# KiCad board nyx.kicad_pcb (continued)
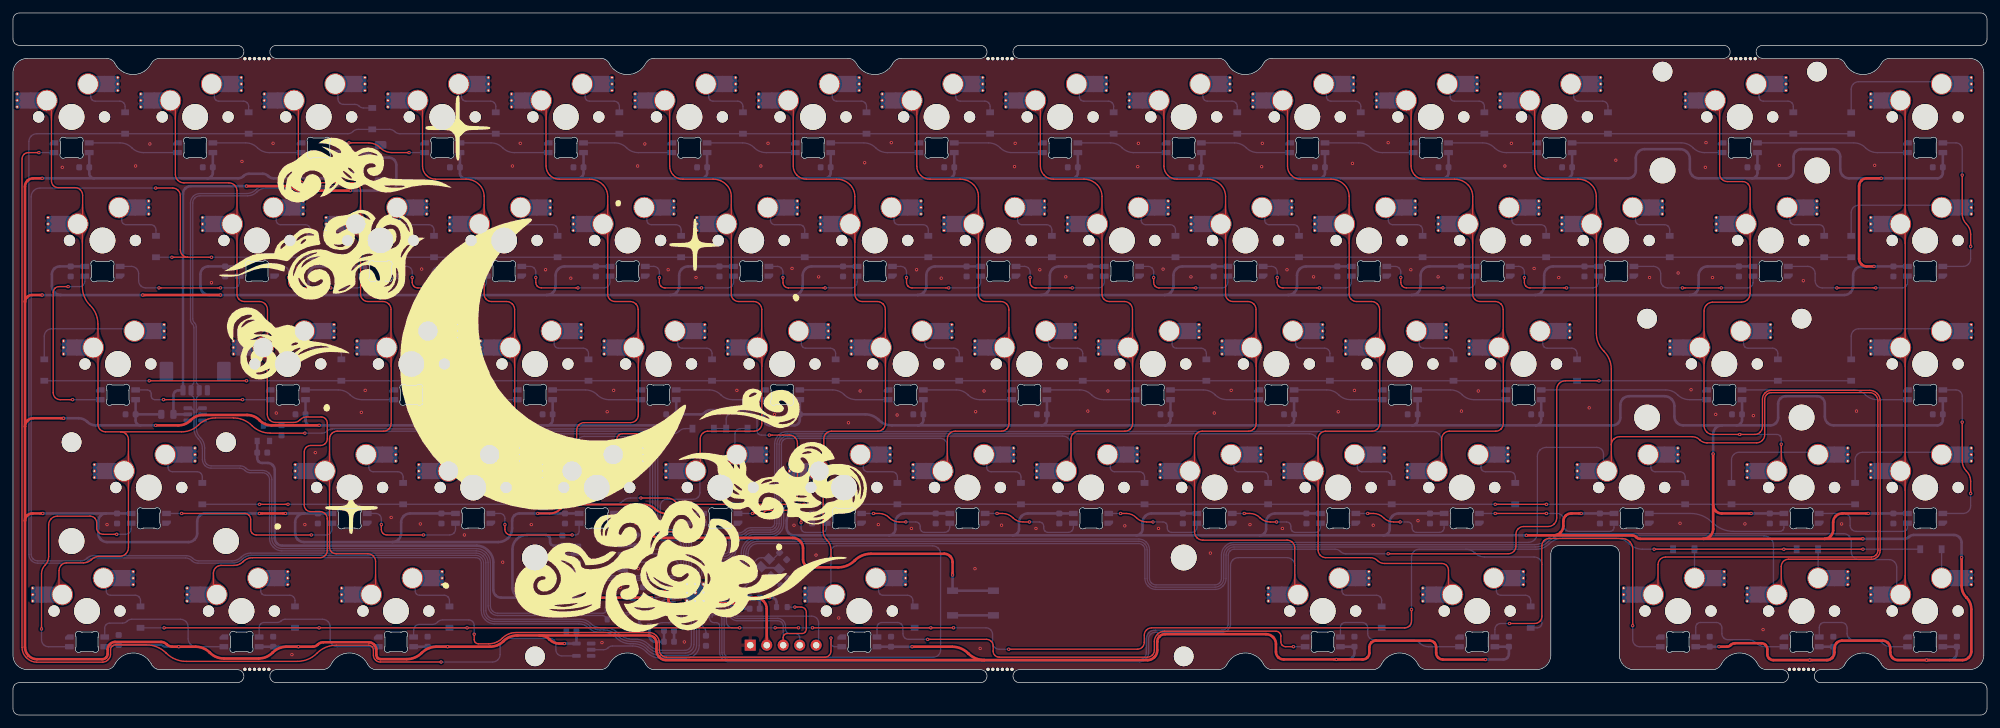
[diagram p0: board, top side]
## Routing (per net, layer and track width the routed paths; a pad name or vN(x,y) marks a point on that pad's centre or on a via; arc(x,y) is an arc through that point) (continued)
  Bottom w0.2: MX56.1 245.2,38.16 245.2,40.26 arc(245.12,40.64) 244.91,40.97 244.89,40.98 arc(244.57,41.2) 244.19,41.27 236.36,41.27 arc(235.84,41.17) 235.4,40.88 235.4,40.87 arc(235.1,40.43) 235,39.91 235,28.04 arc(234.89,27.5) 234.59,27.05 234.58,27.03 arc(234.12,26.73) 233.59,26.62 188.21,26.62 arc(187.52,26.48) 186.93,26.09 186.83,25.99 arc(186.44,25.4) 186.3,24.72 186.3,21.08 arc(186.22,20.69) 186.01,20.37 186,20.36 arc(185.68,20.15) 185.3,20.07 176.22,20.07 arc(175.83,20.15) 175.51,20.36 175.49,20.38 arc(175.28,20.7) 175.2,21.09 175.2,25.52 arc(175.08,26.11) 174.75,26.62 174.67,26.69 arc(174.17,27.03) 173.58,27.14 114.81,27.14 arc(114,26.98) 113.32,26.53 113.24,26.45 arc(112.79,25.77) 112.63,24.96 112.63,23.94 arc(112.54,23.48) 112.28,23.09 112.24,23.05 arc(111.85,22.79) 111.39,22.7 110.64,22.7 arc(110.31,22.64) 110.04,22.45 109.98,22.4 arc(109.8,22.12) 109.73,21.8 109.73,21.52 arc(109.7,21.36) 109.62,21.23 109.59,21.2 arc(109.46,21.12) 109.3,21.08 U3.16
Col13: length 339.2
  Top w0.2: MX66.1 272.6,19.25 272.6,22.92 arc(272.68,23.34) 272.92,23.7 272.93,23.7 arc(273.28,23.94) 273.71,24.02 286.51,24.02 arc(287,24.12) 287.43,24.4 287.47,24.45 arc(287.75,24.87) 287.85,25.37 287.85,48.48 arc(287.73,49.07) 287.4,49.57 287.35,49.62 arc(286.85,49.95) 286.25,50.07 271.04,50.07 arc(270.55,49.97) 270.12,49.69 270.08,49.65 arc(269.8,49.23) 269.7,48.73 269.7,44.45 arc(269.61,44.01) 269.36,43.64 269.34,43.61 arc(268.96,43.36) 268.52,43.27 v1(266.2,43.27) 262.06,43.27 arc(261.54,43.38) 261.1,43.67 261.1,43.68 arc(260.8,44.11) 260.7,44.63 260.7,56 MX43.1 260.7,57.36 260.7,62.31 arc(260.8,62.83) 261.1,63.27 261.1,63.28 arc(261.54,63.57) 262.06,63.67 266.44,63.67 arc(266.96,63.78) 267.4,64.07 267.4,64.08 arc(267.7,64.51) 267.8,65.03 267.8,75.09 MX29.1 267.8,76.37 267.8,81.1 arc(267.71,81.54) 267.46,81.91 267.44,81.94 arc(267.06,82.18) 266.62,82.27 264.28,82.27 arc(263.84,82.36) 263.46,82.61 263.44,82.64 arc(263.19,83.01) 263.1,83.45 263.1,94.08 MX14.1 ; v1(272.6,41.77) 272.6,38.3 MX57.1
  Bottom w0.2: v1(266.2,43.27) 271.93,43.27 arc(272.18,43.22) 272.39,43.08 272.41,43.06 arc(272.55,42.85) 272.6,42.6 v1(272.6,41.77) ; MX66.1 271.4,19.1 271.4,26.19 arc(271.29,26.73) 270.99,27.18 270.96,27.21 arc(270.51,27.52) 269.97,27.62 238.76,27.62 arc(237.65,27.4) 236.71,26.77 236.7,26.77 arc(235.76,26.14) 234.65,25.92 188.25,25.92 arc(187.79,25.83) 187.4,25.57 187.35,25.52 arc(187.09,25.13) 187,24.68 187,21.04 arc(186.88,20.42) 186.53,19.9 186.47,19.84 arc(185.95,19.49) 185.34,19.37 176.17,19.37 arc(175.56,19.49) 175.04,19.84 174.97,19.92 arc(174.62,20.43) 174.5,21.05 174.5,25.48 arc(174.43,25.84) 174.22,26.15 174.21,26.17 arc(173.9,26.37) 173.53,26.44 114.85,26.44 arc(114.27,26.33) 113.79,26.01 113.77,25.98 arc(113.44,25.5) 113.33,24.92 113.33,23.9 arc(113.19,23.21) 112.8,22.63 112.7,22.53 arc(112.12,22.14) 111.43,22 111.11,22 arc(110.9,21.96) 110.73,21.84 110.7,21.81 arc(110.58,21.63) 110.53,21.42 110.53,21.25 arc(110.46,20.88) 110.25,20.57 arc(109.94,20.36) 109.57,20.28 U3.18
Col14: length 284.2
  Top w0.2: MX67.1 291.7,19.3 291.7,36.9 MX58.1 291.7,38.35 291.7,55.95 MX44.1 291.7,57.4 291.7,75 MX30.1 291.7,76.45 291.7,94.05 MX15.1
  Bottom w0.2: MX67.1 290.4,19.15 290.4,22.8 arc(290.31,23.24) 290.06,23.61 290.04,23.64 arc(289.66,23.88) 289.22,23.97 284.58,23.97 arc(284.14,24.06) 283.76,24.31 283.74,24.34 arc(283.49,24.71) 283.4,25.15 283.4,26.8 arc(283.31,27.24) 283.06,27.61 283.04,27.63 arc(282.66,27.88) 282.22,27.97 238.61,27.97 arc(237.5,27.75) 236.56,27.12 236.56,27.12 arc(235.62,26.49) 234.51,26.27 188.23,26.27 arc(187.65,26.16) 187.17,25.83 187.09,25.76 arc(186.76,25.27) 186.65,24.7 186.65,21.06 arc(186.55,20.56) 186.27,20.14 186.24,20.1 arc(185.81,19.82) 185.32,19.72 176.19,19.72 arc(175.7,19.82) 175.28,20.1 175.23,20.15 arc(174.95,20.57) 174.85,21.07 174.85,25.5 arc(174.75,25.98) 174.48,26.38 174.44,26.43 arc(174.03,26.7) 173.55,26.79 114.83,26.79 arc(114.14,26.66) 113.56,26.27 113.51,26.22 arc(113.12,25.63) 112.98,24.94 112.98,23.92 arc(112.86,23.35) 112.54,22.86 112.47,22.79 arc(111.98,22.47) 111.41,22.35 110.66,22.35 arc(110.45,22.31) 110.27,22.19 110.25,22.17 arc(110.13,21.99) 110.08,21.78 110.08,21.37 arc(110.03,21.12) 109.89,20.91 109.86,20.88 arc(109.65,20.73) 109.4,20.68 U3.17
D+: length 9.9
  Bottom w0.2: R4.1 93.26,16.13 93.39,16 arc(93.66,15.81) 93.98,15.75 94.62,15.75 arc(94.73,15.77) 94.83,15.84 94.85,15.86 arc(94.91,15.95) 94.94,16.07 94.94,16.32 arc(94.98,16.53) 95.1,16.71 95.13,16.74 arc(95.31,16.86) 95.52,16.9 98.64,16.9 arc(99.28,17.03) 99.82,17.39 arc(100.37,17.76) 101.01,17.88 U3.47
D-: length 9.9
  Bottom w0.2: R5.1 93.26,15.08 93.29,15.11 arc(93.62,15.32) 94,15.4 94.64,15.4 arc(94.87,15.45) 95.06,15.58 95.11,15.62 arc(95.24,15.82) 95.28,16.05 95.28,16.3 arc(95.3,16.4) 95.36,16.48 95.36,16.48 arc(95.44,16.54) 95.54,16.55 98.74,16.55 arc(99.42,16.69) 100,17.08 arc(100.45,17.38) 100.99,17.48 U3.46
FLASH_nCS: length 11.3
  Bottom w0.2: U3.56 101.16,21.48 arc(100.95,21.53) 100.77,21.65 100.76,21.66 arc(100.64,21.84) 100.6,22.05 100.6,24.56 arc(100.52,24.94) 100.31,25.27 100.29,25.28 arc(99.97,25.5) 99.59,25.57 98.77,25.57 arc(98.43,25.64) 98.14,25.84 98.11,25.86 arc(97.82,26.06) 97.47,26.13 R2.2
  Bottom w0.4: U1.1 R2.2
FLASH_SCK: length 20.8
  Bottom w0.2: U3.52 100.92,19.88 arc(100.15,20.04) 99.5,20.47 99.44,20.54 arc(98.79,20.97) 98.02,21.12 85.78,21.12 arc(85.47,21.18) 85.21,21.36 85.18,21.38 arc(85.01,21.64) 84.95,21.95 84.95,22.97 arc(85,23.2) 85.13,23.4 85.14,23.41 arc(85.33,23.54) 85.56,23.59 U1.6
FLASH_SD0: length 15.5
  Bottom w0.2: U3.53 101.12,20.28 arc(100.35,20.44) 99.7,20.87 99.69,20.89 arc(99.04,21.32) 98.27,21.47 91.37,21.47 arc(90.84,21.58) 90.38,21.88 90.36,21.91 arc(89.9,22.21) 89.37,22.32 U1.5
FLASH_SD1: length 10.7
  Bottom w0.2: 94,24.86 99.22,24.86 arc(99.59,24.79) 99.89,24.58 99.92,24.55 arc(100.13,24.24) 100.2,23.88 100.2,21.9 arc(100.26,21.6) 100.43,21.34 100.45,21.32 arc(100.71,21.15) 101.02,21.08 U3.55
FLASH_SD2: length 9.7
  Bottom w0.2: U3.54 100.96,20.68 arc(100.52,20.77) 100.15,21.02 100.14,21.04 arc(99.89,21.41) 99.8,21.85 99.8,22.56 arc(99.72,22.94) 99.51,23.27 99.48,23.29 arc(99.15,23.51) 98.77,23.59 U1.3
FLASH_SD3: length 23
  Bottom w0.2: U3.51 100.72,19.48 arc(99.95,19.64) 99.3,20.07 99.19,20.19 arc(98.54,20.62) 97.77,20.77 85.76,20.77 arc(85.33,20.86) 84.98,21.09 84.92,21.15 arc(84.68,21.51) 84.6,21.93 84.6,24.2 arc(84.65,24.45) 84.79,24.66 84.79,24.67 arc(85.01,24.81) 85.25,24.86 86.8,24.86
Row0: length 465.3
  Bottom w0.2: U3.36 104.98,10.91 arc(104.89,10.43) 104.62,10.02 104.54,9.94 arc(104.13,9.67) 103.65,9.57 100,9.57 arc(98.9,9.79) 97.95,10.42 97.88,10.5 arc(96.94,11.13) 95.83,11.35 95.32,11.35 arc(94.17,11.57) 93.2,12.23 93.18,12.24 arc(92.21,12.89) 91.06,13.12 90.47,13.12 arc(89.62,13.29) 88.91,13.77 88.89,13.78 arc(88.18,14.26) 87.34,14.43 74.21,14.43 arc(73.6,14.55) 73.08,14.9 73.02,14.96 arc(72.67,15.48) 72.55,16.09 72.55,23.45 arc(72.46,23.89) 72.21,24.26 72.19,24.29 arc(71.81,24.54) 71.37,24.62 36.77,24.62 arc(36.01,24.47) 35.36,24.04 35.33,24.01 arc(34.68,23.58) 33.92,23.42 28.51,23.42 arc(28,23.53) 27.56,23.82 27.55,23.83 arc(27.11,24.12) 26.6,24.22 12.5,24.22 arc(11.99,24.12) 11.55,23.83 11.54,23.82 arc(11.1,23.53) 10.59,23.42 3.79,23.42 arc(3.3,23.52) 2.87,23.8 2.83,23.85 arc(2.55,24.27) 2.45,24.77 2.45,88.43 arc(2.54,88.88) 2.8,89.27 2.83,89.3 arc(3.22,89.56) 3.67,89.65 D1.1 D2.1 51.62,89.65 arc(52.04,89.73) 52.4,89.97 52.43,90 arc(52.78,90.24) 53.21,90.32 D3.1 58.05,90.32 arc(58.47,90.24) 58.83,90 58.86,89.97 arc(59.21,89.73) 59.63,89.65 D4.1 D5.1 D6.1 D7.1 D8.1 D9.1 D10.1 D11.1 D12.1 D13.1 D14.1 D15.1
Row1: length 469.5
  Top w0.2: v1(22,81.27) 24.62,81.27 arc(25.06,81.18) 25.44,80.94 25.46,80.91 arc(25.71,80.54) 25.8,80.1 25.8,71.73 arc(25.88,71.31) 26.12,70.95 26.15,70.92 arc(26.51,70.68) 26.93,70.6 ; 26.93,70.6 v1(24.5,70.6) ; 26.93,70.6 v1(30.6,70.6)
  Bottom w0.2: U3.37 104.58,10.95 arc(104.51,10.59) 104.31,10.28 104.28,10.25 arc(103.97,10.04) 103.61,9.97 100.1,9.97 arc(98.99,10.19) 98.05,10.82 98.02,10.85 arc(97.08,11.48) 95.97,11.7 95.47,11.7 arc(94.32,11.92) 93.34,12.57 93.33,12.59 arc(92.35,13.24) 91.2,13.47 90.61,13.47 arc(89.77,13.64) 89.06,14.12 89.04,14.13 arc(88.33,14.61) 87.48,14.78 74.23,14.78 arc(73.74,14.88) 73.31,15.16 73.28,15.19 arc(73,15.61) 72.9,16.11 72.9,23.47 arc(72.79,24.03) 72.48,24.5 72.42,24.55 arc(71.95,24.86) 71.4,24.97 36.63,24.97 arc(35.86,24.82) 35.21,24.39 35.19,24.36 arc(34.54,23.92) 33.77,23.77 28.66,23.77 arc(28.14,23.88) 27.7,24.17 27.7,24.18 arc(27.26,24.47) 26.74,24.57 12.36,24.57 arc(11.84,24.47) 11.4,24.18 11.4,24.17 arc(10.96,23.88) 10.44,23.77 3.81,23.77 arc(3.43,23.85) 3.11,24.07 3.09,24.08 arc(2.88,24.4) 2.8,24.79 2.8,79.91 arc(2.9,80.43) 3.2,80.87 3.2,80.88 arc(3.64,81.17) 4.16,81.27 v1(22,81.27) ; v1(30.6,70.6) D17.1 D18.1 D19.1 D20.1 D21.1 D22.1 D23.1 D24.1 D25.1 D26.1 D27.1 D28.1 D29.1 D30.1 ; D16.1 v1(24.5,70.6)
Row2: length 461.3
  Top w0.2: v1(212,24.87) 230.52,24.87 arc(230.96,24.96) 231.34,25.21 231.36,25.24 arc(231.61,25.61) 231.7,26.05 231.7,27.9 arc(231.79,28.34) 232.04,28.71 232.06,28.74 arc(232.44,28.98) 232.88,29.07 236.66,29.07 arc(237.16,29.17) 237.58,29.45 237.6,29.47 arc(237.88,29.9) 237.98,30.39 237.98,50.19 arc(238.08,50.71) 238.38,51.15 238.38,51.15 arc(238.82,51.45) 239.34,51.55 v1(244.5,51.55) ; v1(21,51.55) v1(36,51.55)
  Bottom w0.2: U3.29 108.7,15.45 arc(108.92,15.4) 109.11,15.28 arc(109.24,15.08) 109.29,14.84 109.29,9.66 arc(109.37,9.26) 109.59,8.92 109.65,8.87 arc(109.99,8.64) 110.39,8.56 173.65,8.56 arc(174.05,8.64) 174.39,8.87 174.41,8.88 arc(174.64,9.22) 174.72,9.62 174.72,11.74 arc(174.81,12.24) 175.1,12.66 175.15,12.72 arc(175.57,13) 176.07,13.1 186.38,13.1 arc(186.74,13.17) 187.05,13.38 187.07,13.4 arc(187.28,13.71) 187.35,14.07 187.35,24.65 arc(187.42,25) 187.61,25.29 187.63,25.31 arc(187.92,25.5) 188.27,25.57 203.82,25.57 arc(204.26,25.48) 204.64,25.24 204.66,25.21 arc(205.04,24.96) 205.48,24.87 v1(212,24.87) ; v1(36,51.55) D32.1 D33.1 D34.1 D35.1 D36.1 D37.1 D38.1 D39.1 D40.1 D41.1 D42.1 v1(244.5,51.55) D43.1 D44.1 ; v1(21,51.55) D31.1
Row3: length 308.2
  Top w0.2: 119.41,32.5 103.21,32.5 arc(102.58,32.63) 102.04,32.98 102.04,32.99 arc(101.5,33.35) 100.87,33.47 v1(96.8,33.47) ; 119.41,32.5 v1(122,32.5) ; 119.41,32.5 arc(119.98,32.61) 120.47,32.94 120.5,32.97 arc(120.82,33.46) 120.94,34.03 120.94,41.92 arc(120.84,42.4) 120.57,42.8 120.57,42.81 arc(120.16,43.08) 119.68,43.17 v1(116.6,43.17) ; v1(38,32.5) v1(42.4,32.5) ; v1(236.4,32.5) v1(228.5,32.5)
  Bottom w0.2: D58.1 D57.1 D56.1 v1(236.4,32.5) ; D45.1 v1(38,32.5) ; D48.1 D49.1 109.95,45.65 arc(110.02,45.99) 110.21,46.29 110.24,46.31 arc(110.53,46.5) 110.87,46.57 113.85,46.57 arc(114.17,46.51) 114.45,46.32 114.45,46.32 arc(114.64,46.05) 114.7,45.72 114.7,43.84 arc(114.75,43.59) 114.89,43.38 114.91,43.36 arc(115.12,43.22) 115.37,43.17 v1(116.6,43.17) ; v1(96.8,33.47) 95.18,33.47 arc(94.55,33.35) 94.02,32.99 94.01,32.98 arc(93.48,32.63) 92.84,32.5 D47.1 D46.1 v1(42.4,32.5) ; U3.15 108.62,22.17 arc(108.69,22.51) 108.88,22.79 arc(109.16,22.98) 109.5,23.05 111.37,23.05 arc(111.71,23.12) 112,23.31 112.02,23.32 arc(112.21,23.62) 112.28,23.96 112.28,24.98 arc(112.46,25.9) 112.98,26.68 113.09,26.79 arc(113.87,27.31) 114.79,27.49 116.81,27.49 arc(117.52,27.63) 118.12,28.04 118.27,28.19 arc(118.67,28.79) 118.81,29.49 118.81,31.47 arc(118.89,31.85) 119.11,32.18 119.13,32.21 arc(119.46,32.42) 119.84,32.5 v1(122,32.5) D50.1 D51.1 D52.1 D53.1 D54.1 v1(228.5,32.5) D55.1
Row4: length 342
  Top w0.2: v1(253,25.57) v1(273,25.57) v1(285.2,25.57) ; v1(23.3,13.45) v1(47.2,13.45) v1(70,13.45) v1(112.03,13.45) ; v1(215.6,16.27) 215.6,14.51 arc(215.52,14.11) 215.29,13.76 215.29,13.76 arc(214.94,13.53) 214.54,13.45 175.55,13.45 arc(175.11,13.36) 174.74,13.11 174.74,13.11 arc(174.49,12.74) 174.4,12.3 174.4,11.21 arc(174.32,10.81) 174.09,10.46 174.09,10.46 arc(173.74,10.23) 173.34,10.15 v1(153.5,10.15) ; v1(123.25,13.45) v1(141.5,13.45) v1(145,13.45) ; v1(121.1,13.45) v1(117.5,13.45)
  Bottom w0.2: 223.97,25.57 216.78,25.57 arc(216.34,25.48) 215.96,25.24 215.94,25.21 arc(215.69,24.84) 215.6,24.4 v1(215.6,16.27) 215.6,14.32 arc(215.54,14) 215.35,13.72 215.33,13.7 arc(215.05,13.51) 214.73,13.45 D63.1 ; 223.97,25.57 234.8,25.57 arc(235.91,25.79) 236.85,26.42 arc(237.79,27.05) 238.9,27.27 247.1,27.27 arc(248.21,27.05) 249.15,26.42 arc(250.09,25.79) 251.2,25.57 v1(253,25.57) D65.1 ; 223.97,25.57 arc(224.74,25.42) 225.39,24.99 225.41,24.96 arc(226.06,24.52) 226.83,24.37 234.52,24.37 arc(234.96,24.28) 235.34,24.04 235.36,24.01 arc(235.61,23.64) 235.7,23.2 235.7,14.16 arc(235.65,13.89) 235.49,13.67 235.48,13.66 arc(235.26,13.5) 234.99,13.45 D64.1 ; v1(153.5,10.15) 152.03,10.15 arc(151.65,10.23) 151.32,10.44 151.31,10.46 arc(151.09,10.78) 151.01,11.16 151.01,12.44 arc(150.94,12.82) 150.72,13.14 150.71,13.16 arc(150.38,13.37) 150,13.45 v1(145,13.45) ; v1(121.1,13.45) v1(123.25,13.45) ; D66.1 v1(273,25.57) ; D60.1 v1(47.2,13.45) ; U3.27 109.5,16.68 arc(109.68,16.65) 109.84,16.54 arc(109.95,16.38) 109.99,16.19 109.99,14.39 arc(110.06,14.03) 110.26,13.72 arc(110.56,13.52) 110.92,13.45 v1(112.03,13.45) v1(117.5,13.45) ; D62.1 v1(141.5,13.45) ; D67.1 v1(285.2,25.57) ; D59.1 v1(23.3,13.45) ; D61.1 v1(70,13.45)
SWCLK: length 21.9
  Bottom w0.2: U3.24 109.96,17.88 arc(110.37,17.81) 110.71,17.58 110.73,17.56 arc(110.95,17.22) 111.03,16.82 111.03,15.92 arc(111.08,15.67) 111.23,15.46 111.24,15.44 arc(111.46,15.3) 111.7,15.25 123.14,15.25 arc(123.54,15.17) 123.89,14.94 123.89,14.94 arc(124.12,14.59) 124.2,14.19 124.2,10.85 123.82,10.47
SWDIO: length 17.5
  Bottom w0.2: U3.25 109.91,17.48 arc(110.23,17.42) 110.5,17.24 arc(110.64,17.03) 110.69,16.79 110.69,15.9 arc(110.76,15.54) 110.96,15.23 111.01,15.18 arc(111.32,14.97) 111.68,14.9 117.9,14.9 arc(118.34,14.81) 118.72,14.56 118.75,14.53 arc(119,14.15) 119.09,13.71 119.09,13.25 arc(119.14,12.98) 119.29,12.76 119.29,12.76 arc(119.52,12.61) 119.79,12.55 120.67,12.55 arc(120.9,12.51) 121.1,12.38 121.1,12.37 arc(121.23,12.17) 121.28,11.94 J2.4
XTAL1: length 12.3
  Bottom w0.2: C1.1 117.22,24.08 Y1.3 116.38,24.26 115.36,24.26 arc(114.98,24.18) 114.65,23.97 114.03,23.34 arc(113.81,23.02) 113.73,22.64 arc(113.65,22.19) 113.39,21.81 111.61,20.02 arc(111.01,19.62) 110.31,19.48 U3.20
XTAL2: length 6.5
  Bottom w0.2: R1.1 112.78,19.71 arc(112.08,19.25) 111.26,19.08 U3.21
~{NRST}: length 26.6
  Top w0.2: 118.74,10.87 118.74,11.96 arc(118.79,12.19) 118.92,12.39 118.92,12.4 arc(119.12,12.53) 119.35,12.57 121.63,12.57 arc(121.88,12.62) 122.09,12.76 122.11,12.78 arc(122.25,12.99) 122.3,13.24 122.3,15.84 arc(122.24,16.15) 122.07,16.41 122.06,16.42 arc(121.8,16.59) 121.49,16.65 v1(120.53,16.65)
  Bottom w0.2: U3.26 109.68,17.08 arc(109.93,17.03) 110.15,16.89 arc(110.29,16.68) 110.34,16.44 110.34,15.85 arc(110.43,15.38) 110.7,14.97 110.76,14.92 arc(111.16,14.65) 111.64,14.55 117.88,14.55 arc(118.21,14.49) 118.48,14.3 118.49,14.29 arc(118.68,14.02) 118.74,13.69 J2.3 ; R3.2 v1(120.53,16.65)
Net-(C13-Pad1): length 3.9
  Bottom w0.2: R1.2 115.71,20.12 Y1.1 118.28,19.96 C13.1
Net-(D1-A): length 9.2
  Bottom w0.2: D1.2 17.28,93.86 arc(17.22,94.16) 17.05,94.42 17.03,94.44 arc(16.77,94.61) 16.47,94.67 12.67,94.67 arc(12.42,94.72) 12.21,94.86 12.19,94.88 arc(12.05,95.09) 12,95.34 12,96.89 MX1.2
Net-(D2-A): length 9.2
  Bottom w0.2: MX2.2 31.05,96.89 31.05,95.34 arc(31.1,95.09) 31.24,94.88 31.26,94.86 arc(31.47,94.72) 31.72,94.67 35.52,94.67 arc(35.82,94.61) 36.08,94.44 36.1,94.42 arc(36.27,94.16) 36.33,93.86 D2.2
Net-(D3-A): length 8.4
  Bottom w0.2: D3.2 54.02,93.62 arc(53.68,93.69) 53.39,93.89 53.36,93.91 arc(53.07,94.1) 52.73,94.17 50.95,94.17 arc(50.63,94.24) 50.35,94.42 50.35,94.42 arc(50.16,94.7) 50.1,95.02 50.1,96.89 MX3.2
Net-(D4-A): length 9.2
  Bottom w0.2: MX4.2 69.15,96.89 69.15,95.34 arc(69.2,95.09) 69.34,94.88 69.36,94.86 arc(69.57,94.72) 69.82,94.67 73.62,94.67 arc(73.92,94.61) 74.18,94.44 74.2,94.42 arc(74.37,94.16) 74.43,93.86 D4.2
Net-(D5-A): length 9.2
  Bottom w0.2: D5.2 93.48,93.86 arc(93.42,94.16) 93.25,94.42 93.23,94.44 arc(92.97,94.61) 92.67,94.67 88.87,94.67 arc(88.62,94.72) 88.41,94.86 88.39,94.88 arc(88.25,95.09) 88.2,95.34 88.2,96.89 MX5.2
Net-(D6-A): length 9.2
  Bottom w0.2: D6.2 112.53,93.86 arc(112.47,94.16) 112.3,94.42 112.28,94.44 arc(112.02,94.61) 111.72,94.67 107.92,94.67 arc(107.67,94.72) 107.46,94.86 107.44,94.88 arc(107.3,95.09) 107.25,95.34 107.25,96.89 MX6.2
Net-(D7-A): length 9.2
  Bottom w0.2: D7.2 131.58,93.86 arc(131.52,94.16) 131.35,94.42 131.33,94.44 arc(131.07,94.61) 130.77,94.67 126.97,94.67 arc(126.72,94.72) 126.51,94.86 126.49,94.88 arc(126.35,95.09) 126.3,95.34 126.3,96.89 MX7.2
Net-(D8-A): length 9.2
  Bottom w0.2: MX8.2 145.35,96.89 145.35,95.34 arc(145.4,95.09) 145.54,94.88 145.56,94.86 arc(145.77,94.72) 146.02,94.67 149.82,94.67 arc(150.12,94.61) 150.38,94.44 150.4,94.42 arc(150.57,94.16) 150.63,93.86 D8.2
Net-(D9-A): length 9.2
  Bottom w0.2: D9.2 169.68,93.86 arc(169.62,94.16) 169.45,94.42 169.43,94.44 arc(169.17,94.61) 168.87,94.67 165.07,94.67 arc(164.82,94.72) 164.61,94.86 164.59,94.88 arc(164.45,95.09) 164.4,95.34 164.4,96.89 MX9.2
Net-(D10-A): length 9.2
  Bottom w0.2: MX10.2 183.45,96.89 183.45,95.34 arc(183.5,95.09) 183.64,94.88 183.66,94.86 arc(183.87,94.72) 184.12,94.67 187.92,94.67 arc(188.22,94.61) 188.48,94.44 188.5,94.42 arc(188.67,94.16) 188.73,93.86 D10.2
Net-(D11-A): length 9.2
  Bottom w0.2: D11.2 207.78,93.86 arc(207.72,94.16) 207.55,94.42 207.53,94.44 arc(207.27,94.61) 206.97,94.67 203.17,94.67 arc(202.92,94.72) 202.71,94.86 202.69,94.88 arc(202.55,95.09) 202.5,95.34 202.5,96.89 MX11.2
Net-(D12-A): length 9.2
  Bottom w0.2: MX12.2 221.55,96.89 221.55,95.34 arc(221.6,95.09) 221.74,94.88 221.76,94.86 arc(221.97,94.72) 222.22,94.67 226.02,94.67 arc(226.32,94.61) 226.58,94.44 226.6,94.42 arc(226.77,94.16) 226.83,93.86 D12.2
Net-(D13-A): length 9.2
  Bottom w0.2: MX13.2 240.6,96.89 240.6,95.34 arc(240.65,95.09) 240.79,94.88 240.81,94.86 arc(241.02,94.72) 241.27,94.67 245.07,94.67 arc(245.37,94.61) 245.63,94.44 245.65,94.42 arc(245.82,94.16) 245.88,93.86 D13.2
Net-(D14-A): length 9.2
  Bottom w0.2: MX14.2 269.18,96.89 269.18,95.34 arc(269.22,95.09) 269.37,94.88 269.38,94.86 arc(269.6,94.72) 269.84,94.67 273.64,94.67 arc(273.95,94.61) 274.21,94.44 274.22,94.42 arc(274.4,94.16) 274.46,93.86 D14.2
Net-(D15-A): length 18.3
  Bottom w0.2: MX15.2 296.97,97.67 284.54,97.67 arc(284.1,97.58) 283.73,97.34 283.72,97.33 arc(283.47,96.95) 283.38,96.51 D15.2
Net-(D16-A): length 9.2
  Bottom w0.2: MX16.2 16.76,77.84 16.76,76.29 arc(16.81,76.04) 16.95,75.83 16.97,75.81 arc(17.18,75.67) 17.43,75.62 21.23,75.62 arc(21.54,75.56) 21.8,75.39 21.81,75.37 arc(21.98,75.11) 22.04,74.81 D16.2
Net-(D17-A): length 10
  Bottom w0.2: 40.73,77.68 MX17.2 40.58,77.84 40.58,76.29 arc(40.62,76.04) 40.77,75.83 40.78,75.81 arc(41,75.67) 41.24,75.62 45.04,75.62 arc(45.35,75.56) 45.61,75.39 45.62,75.37 arc(45.8,75.11) 45.86,74.81 D17.2
Net-(D18-A): length 9.2
  Bottom w0.2: D18.2 64.91,74.81 arc(64.85,75.11) 64.67,75.37 64.66,75.39 arc(64.4,75.56) 64.09,75.62 60.29,75.62 arc(60.05,75.67) 59.83,75.81 59.82,75.83 arc(59.67,76.04) 59.63,76.29 59.63,77.84 MX18.2
Net-(D19-A): length 9.2
  Bottom w0.2: MX19.2 78.68,77.84 78.68,76.29 arc(78.72,76.04) 78.87,75.83 78.88,75.81 arc(79.1,75.67) 79.34,75.62 83.14,75.62 arc(83.45,75.56) 83.71,75.39 83.72,75.37 arc(83.9,75.11) 83.96,74.81 D19.2
Net-(D20-A): length 9.2
  Bottom w0.2: MX20.2 97.73,77.84 97.73,76.29 arc(97.77,76.04) 97.92,75.83 97.93,75.81 arc(98.15,75.67) 98.39,75.62 102.19,75.62 arc(102.5,75.56) 102.76,75.39 102.77,75.37 arc(102.95,75.11) 103.01,74.81 D20.2
Net-(D21-A): length 9.2
  Bottom w0.2: D21.2 122.06,74.81 arc(122,75.11) 121.82,75.37 121.81,75.39 arc(121.55,75.56) 121.24,75.62 117.44,75.62 arc(117.2,75.67) 116.98,75.81 116.97,75.83 arc(116.82,76.04) 116.78,76.29 116.78,77.84 MX21.2
Net-(D22-A): length 9.2
  Bottom w0.2: MX22.2 135.83,77.84 135.83,76.29 arc(135.87,76.04) 136.02,75.83 136.03,75.81 arc(136.25,75.67) 136.49,75.62 140.29,75.62 arc(140.6,75.56) 140.86,75.39 140.87,75.37 arc(141.05,75.11) 141.11,74.81 D22.2
Net-(D23-A): length 9.2
  Bottom w0.2: MX23.2 154.88,77.84 154.88,76.29 arc(154.92,76.04) 155.07,75.83 155.08,75.81 arc(155.3,75.67) 155.54,75.62 159.34,75.62 arc(159.65,75.56) 159.91,75.39 159.92,75.37 arc(160.1,75.11) 160.16,74.81 D23.2
Net-(D24-A): length 9.2
  Bottom w0.2: MX24.2 173.93,77.84 173.93,76.29 arc(173.97,76.04) 174.12,75.83 174.13,75.81 arc(174.35,75.67) 174.59,75.62 178.39,75.62 arc(178.7,75.56) 178.96,75.39 178.97,75.37 arc(179.15,75.11) 179.21,74.81 D24.2
Net-(D25-A): length 9.2
  Bottom w0.2: MX25.2 192.98,77.84 192.98,76.29 arc(193.02,76.04) 193.17,75.83 193.18,75.81 arc(193.4,75.67) 193.64,75.62 197.44,75.62 arc(197.75,75.56) 198.01,75.39 198.02,75.37 arc(198.2,75.11) 198.26,74.81 D25.2
Net-(D26-A): length 9.2
  Bottom w0.2: MX26.2 212.03,77.84 212.03,76.29 arc(212.07,76.04) 212.22,75.83 212.23,75.81 arc(212.45,75.67) 212.69,75.62 216.49,75.62 arc(216.8,75.56) 217.06,75.39 217.07,75.37 arc(217.25,75.11) 217.31,74.81 D26.2
Net-(D27-A): length 9.2
  Bottom w0.2: MX27.2 231.08,77.84 231.08,76.29 arc(231.12,76.04) 231.27,75.83 231.28,75.81 arc(231.5,75.67) 231.74,75.62 235.54,75.62 arc(235.85,75.56) 236.11,75.39 236.12,75.37 arc(236.3,75.11) 236.36,74.81 D27.2
Net-(D28-A): length 9.2
  Bottom w0.2: MX28.2 250.13,77.84 250.13,76.29 arc(250.17,76.04) 250.32,75.83 250.33,75.81 arc(250.55,75.67) 250.79,75.62 254.59,75.62 arc(254.9,75.56) 255.16,75.39 255.17,75.37 arc(255.35,75.11) 255.41,74.81 D28.2
Net-(D29-A): length 9.2
  Bottom w0.2: MX29.2 273.94,77.84 273.94,76.29 arc(273.99,76.04) 274.13,75.83 274.15,75.81 arc(274.36,75.67) 274.61,75.62 278.41,75.62 arc(278.71,75.56) 278.97,75.39 278.99,75.37 arc(279.16,75.11) 279.22,74.81 D29.2
Net-(D30-A): length 18.3
  Bottom w0.2: D30.2 283.38,77.46 arc(283.47,77.9) 283.72,78.28 283.73,78.29 arc(284.1,78.53) 284.54,78.62 296.97,78.62 MX30.2
Net-(D31-A): length 18.3
  Bottom w0.2: MX31.2 18.36,59.57 5.98,59.57 arc(5.54,59.48) 5.17,59.24 5.16,59.23 arc(4.91,58.85) 4.83,58.41 D31.2
Net-(D32-A): length 9.2
  Bottom w0.2: MX32.2 45.34,58.79 45.34,57.24 arc(45.39,56.99) 45.53,56.78 45.55,56.76 arc(45.76,56.62) 46.01,56.57 49.81,56.57 arc(50.11,56.51) 50.37,56.34 50.39,56.32 arc(50.56,56.06) 50.62,55.76 D32.2
Net-(D33-A): length 9.2
  Bottom w0.2: MX33.2 64.39,58.79 64.39,57.24 arc(64.44,56.99) 64.58,56.78 64.6,56.76 arc(64.81,56.62) 65.06,56.57 68.86,56.57 arc(69.16,56.51) 69.42,56.34 69.44,56.32 arc(69.61,56.06) 69.67,55.76 D33.2
Net-(D34-A): length 9.2
  Bottom w0.2: MX34.2 83.44,58.79 83.44,57.24 arc(83.49,56.99) 83.63,56.78 83.65,56.76 arc(83.86,56.62) 84.11,56.57 87.91,56.57 arc(88.21,56.51) 88.47,56.34 88.49,56.32 arc(88.66,56.06) 88.72,55.76 D34.2
Net-(D35-A): length 9.2
  Bottom w0.2: MX35.2 102.49,58.79 102.49,57.24 arc(102.54,56.99) 102.68,56.78 102.7,56.76 arc(102.91,56.62) 103.16,56.57 106.96,56.57 arc(107.26,56.51) 107.52,56.34 107.54,56.32 arc(107.71,56.06) 107.77,55.76 D35.2
Net-(D36-A): length 9.2
  Bottom w0.2: D36.2 126.82,55.76 arc(126.76,56.06) 126.59,56.32 126.57,56.34 arc(126.31,56.51) 126.01,56.57 122.21,56.57 arc(121.96,56.62) 121.75,56.76 121.73,56.78 arc(121.59,56.99) 121.54,57.24 121.54,58.79 MX36.2
Net-(D37-A): length 9.2
  Bottom w0.2: D37.2 145.87,55.76 arc(145.81,56.06) 145.64,56.32 145.62,56.34 arc(145.36,56.51) 145.06,56.57 141.26,56.57 arc(141.01,56.62) 140.8,56.76 140.78,56.78 arc(140.64,56.99) 140.59,57.24 140.59,58.79 MX37.2
Net-(D38-A): length 9.2
  Bottom w0.2: D38.2 164.92,55.76 arc(164.86,56.06) 164.69,56.32 164.67,56.34 arc(164.41,56.51) 164.11,56.57 160.31,56.57 arc(160.06,56.62) 159.85,56.76 159.83,56.78 arc(159.69,56.99) 159.64,57.24 159.64,58.79 MX38.2
Net-(D39-A): length 9.2
  Bottom w0.2: D39.2 183.97,55.76 arc(183.91,56.06) 183.74,56.32 183.72,56.34 arc(183.46,56.51) 183.16,56.57 179.36,56.57 arc(179.11,56.62) 178.9,56.76 178.88,56.78 arc(178.74,56.99) 178.69,57.24 178.69,58.79 MX39.2
Net-(D40-A): length 9.2
  Bottom w0.2: D40.2 203.02,55.76 arc(202.96,56.06) 202.79,56.32 202.77,56.34 arc(202.51,56.51) 202.21,56.57 198.41,56.57 arc(198.16,56.62) 197.95,56.76 197.93,56.78 arc(197.79,56.99) 197.74,57.24 197.74,58.79 MX40.2
Net-(D41-A): length 9.2
  Bottom w0.2: D41.2 222.07,55.76 arc(222.01,56.06) 221.84,56.32 221.82,56.34 arc(221.56,56.51) 221.26,56.57 217.46,56.57 arc(217.21,56.62) 217,56.76 216.98,56.78 arc(216.84,56.99) 216.79,57.24 216.79,58.79 MX41.2
Net-(D42-A): length 9.2
  Bottom w0.2: D42.2 241.12,55.76 arc(241.06,56.06) 240.89,56.32 240.87,56.34 arc(240.61,56.51) 240.31,56.57 236.51,56.57 arc(236.26,56.62) 236.05,56.76 236.03,56.78 arc(235.89,56.99) 235.84,57.24 235.84,58.79 MX42.2
Net-(D43-A): length 9.2
  Bottom w0.2: D43.2 272.08,55.76 arc(272.02,56.06) 271.84,56.32 271.83,56.34 arc(271.57,56.51) 271.26,56.57 267.46,56.57 arc(267.21,56.62) 267,56.76 266.98,56.78 arc(266.84,56.99) 266.79,57.24 266.79,58.79 MX43.2
Net-(D44-A): length 18.3
  Bottom w0.2: MX44.2 296.97,59.57 284.54,59.57 arc(284.1,59.48) 283.73,59.24 283.72,59.23 arc(283.47,58.85) 283.38,58.41 D44.2
Net-(D45-A): length 9.2
  Bottom w0.2: MX45.2 23.91,39.74 23.91,38.19 arc(23.96,37.94) 24.1,37.73 24.12,37.71 arc(24.33,37.57) 24.58,37.52 28.37,37.52 arc(28.68,37.46) 28.94,37.29 28.95,37.27 arc(29.13,37.01) 29.19,36.71 D45.2
Net-(D46-A): length 9.2
  Bottom w0.2: D46.2 60.14,36.71 arc(60.08,37.01) 59.91,37.27 59.9,37.29 arc(59.64,37.46) 59.33,37.52 55.53,37.52 arc(55.28,37.57) 55.07,37.71 55.05,37.73 arc(54.91,37.94) 54.86,38.19 54.86,39.74 MX46.2
Net-(D47-A): length 9.2
  Bottom w0.2: D47.2 79.19,36.71 arc(79.13,37.01) 78.96,37.27 78.95,37.29 arc(78.69,37.46) 78.38,37.52 74.58,37.52 arc(74.33,37.57) 74.12,37.71 74.1,37.73 arc(73.96,37.94) 73.91,38.19 73.91,39.74 MX47.2
Net-(D48-A): length 14.9
  Top w0.2: MX48.2 93.1,40.73 93.1,42.52 arc(93.16,42.85) 93.35,43.12 93.38,43.15 arc(93.65,43.33) 93.98,43.4 v1(101.05,43.4)
  Bottom w0.2: D48.2 103.64,44.17 arc(103.14,44.07) 102.72,43.79 102.71,43.78 arc(102.28,43.5) 101.79,43.4 v1(101.05,43.4)
Net-(D49-A): length 5.7
  Bottom w0.2: MX49.2 111.3,40.45 111.3,43.32 arc(111.36,43.65) 111.55,43.92 111.55,43.92 arc(111.83,44.11) 112.15,44.17 D49.2
